# Altium PCB PWM_CONTROLLER_nverter_540VDC_V3.PcbDoc
Units mm, origin at the board's own origin, x right, y up, seen from the top; angles counter-clockwise.
Board outline 210 x 60 mm, 2 copper layers (Top Layer, Bottom Layer), stack 2.071 mm thick; 184 components, 94 nets, 451 pads, 54 vias.
Unrouted connection lines stored in the file: 1.
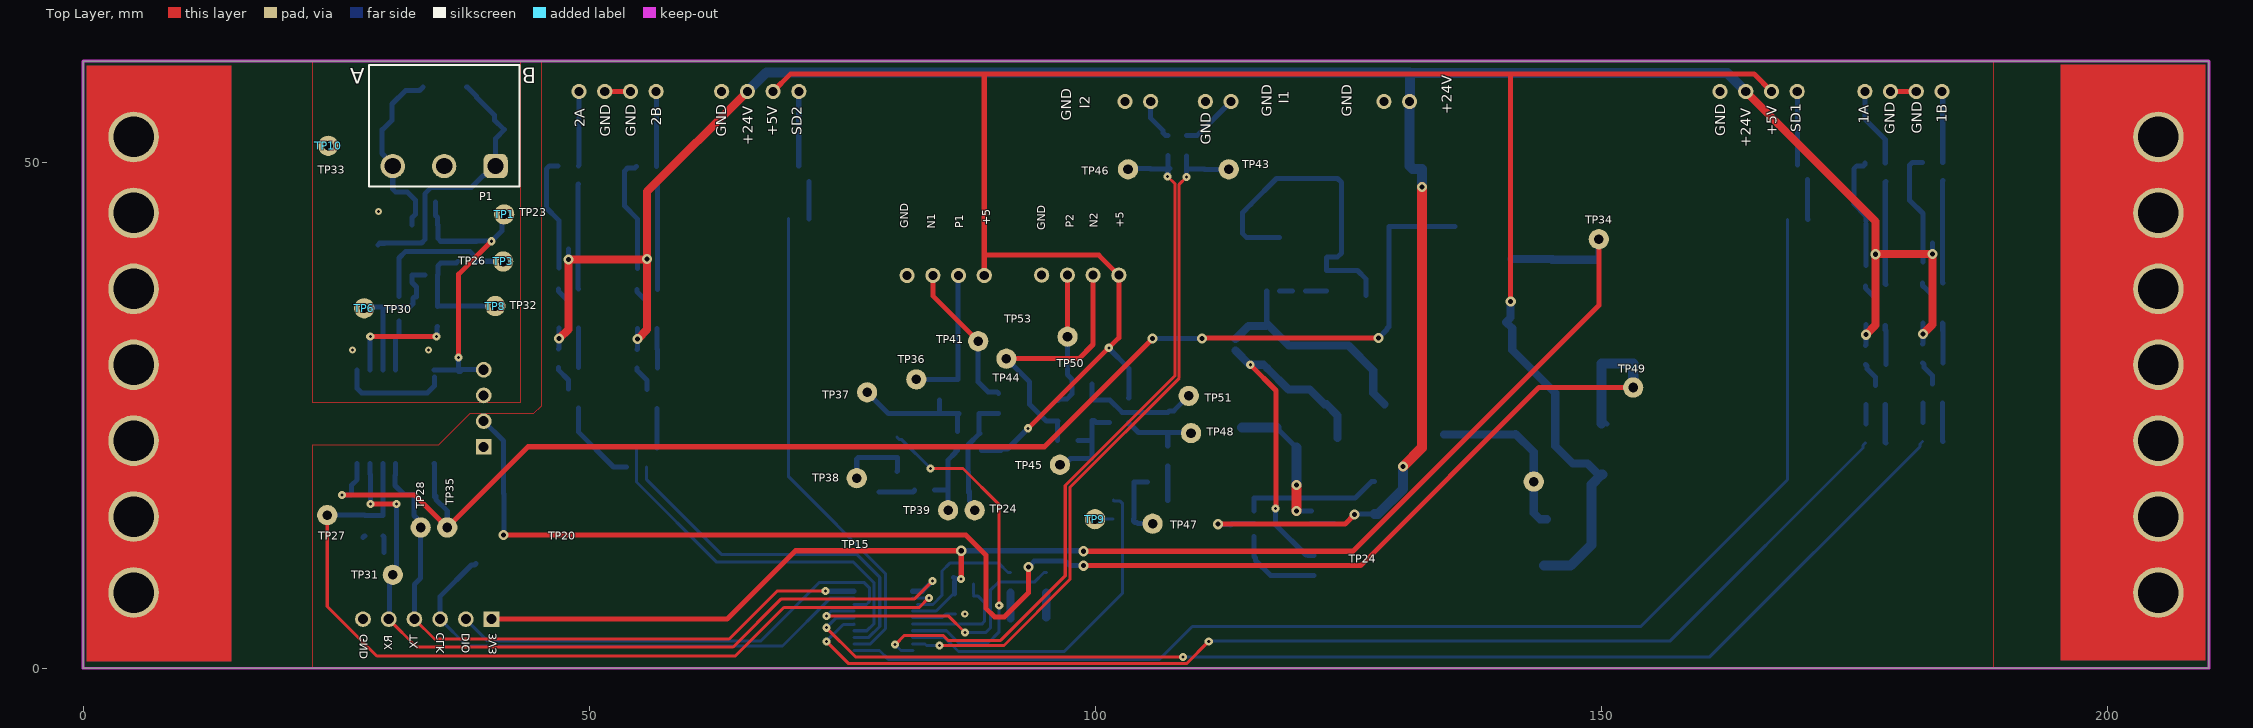
[diagram p0: Top Layer view]
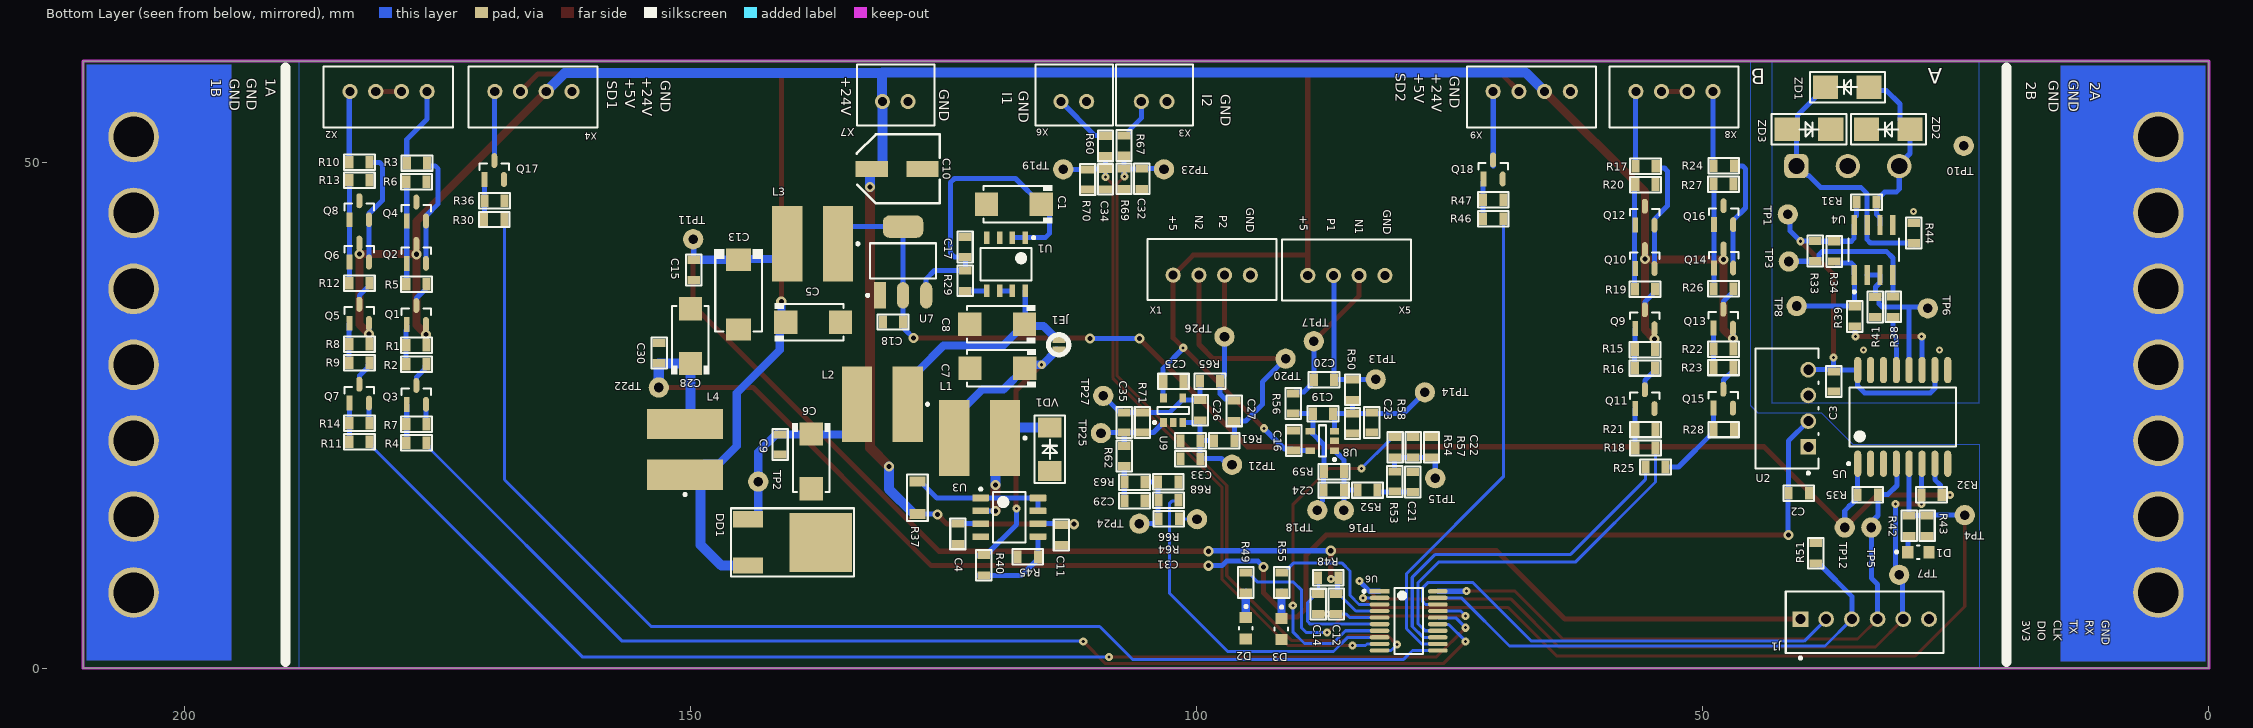
[diagram p1: Bottom Layer view, seen from below]
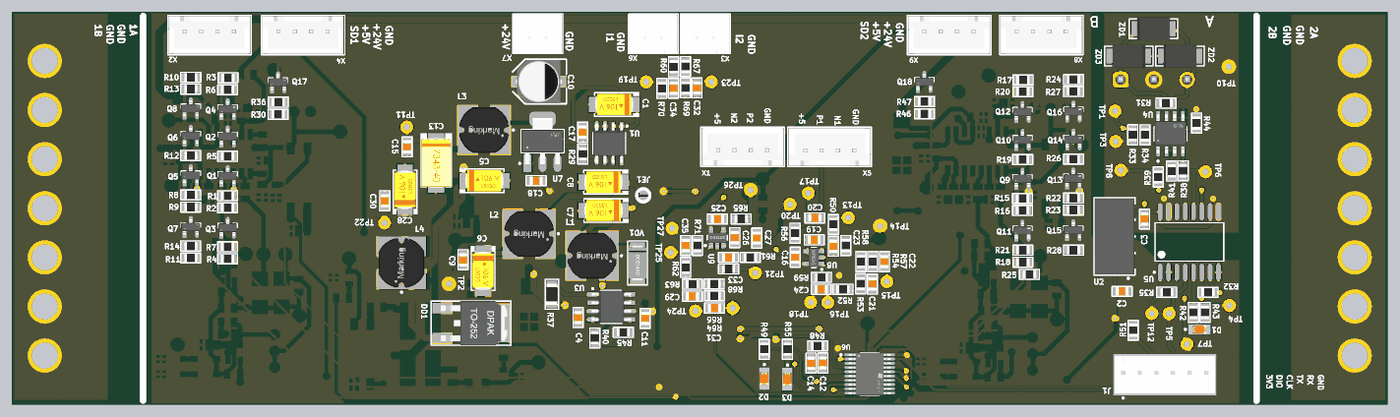
[diagram p2: 3D render of the assembled board from below, using the file's embedded part models]

## Layer stack, top to bottom
Top Solder: solder mask 0.0102, Solder Resist, Dk 3.5
Top Layer: signal copper 0.0356
Dielectric 1: dielectric 2, FR-4, Dk 4.8
Bottom Layer: signal copper 0.0356
Bottom Solder: solder mask 0.0102, Solder Resist, Dk 3.5

## Board outline
0,0 210,0 210,60.002 0,60.002

## Design rules (kind name [scope] priority, off if disabled: settings)
Clearance [All] p1: gap=0.2 ignorepadtopadclearanceinfootprint=TRUE except(0: Region-Hole Text-Hole; 0.1: Track-Track Track-SMDPad Track-THPad Track-Via Track-Fill Track-Poly Track-Region Track-Text Track-Hole SMDPad-SMDPad SMDPad-THPad SMDPad-Via SMDPad-Fill SMDPad-Poly SMDPad-Region SMDPad-Text SMDPad-Hole THPad-THPad THPad-Via THPad-Fill THPad-Poly THPad-Region THPad-Text THPad-Hole; 0.254: Region-Region Region-Text Text-Text)
ComponentClearance [All] p1: gap=-5 collisioncheckmode=3 verticalgap=0.254 showdistances=FALSE
DiffPairsRouting [All] p1: maxlimit=5 minlimit=0.254 mostfreqgap=0.254 toplayer_minwidth=0.381 toplayer_maxwidth=0.381 toplayer_prefwidth=0.381 bottomlayer_minwidth=0.381 bottomlayer_maxwidth=0.381 bottomlayer_prefwidth=0.381 maxuncoupledlength=12.7
Height [All] p1: minheight=0 maxheight=150 prefheight=50
HoleToHoleClearance [All] p1: gap=0 allowstackedmicrovias=TRUE
MinimumSolderMaskSliver [All] p1: minsoldermaskwidth=0
PlaneClearance [All] p1: clearance=0.7
PlaneConnect [All] p1: planeconnectstyle=Relief reliefexpansion=0.2 reliefentries=4 reliefconductorwidth=0.3 reliefairgap=0.1
PolygonConnect [All] p1: connectstyle=Relief reliefconductorwidth=0.254 reliefentries=4 polygonreliefangle="90 Angle" airgapwidth=0.5
RoutingVias [All] p1: holewidth=0.711 width=1.27 viastyle="Through Hole" minholewidth=0.3 minwidth=0.8 maxholewidth=0.711 maxwidth=1.27
SilkToSilkClearance [All] p1: silktosilkclearance=0
SilkToSolderMaskClearance [IsPad] p1: minsilkscreentomaskgap=0 clearancetoexposedcopper=TRUE
SolderMaskExpansion [All] p1: expansion=0.102 istentingtop=FALSE
Width [All] p1: maxlimit=7 minlimit=0.254 preferedwidth=2 minimp=50.000000 maximp=50.000000 favimp=50.000000
21 further rules are at their usual default settings.

## Components (designator, comment, footprint, x,y, rotation, side; value= is the part's Value field where it differs from the comment)
C1 "CAP-POLAR" CAP-TAN-C 118.05,45.85 r0 bottom
C2 "100nF" CAP-0805 40.525,17.3 r0 bottom
C3 "0.47uF" CAP-0805 37.075,28.35 r270 bottom
C4 "470pF" CAP-0805 123.575,13.3 r270 bottom
C5 "CAP-POLAR" CAP-TAN-C 137.875,34.2 r180 bottom
C6 "CAP-POLAR" CAP-TAN-C 138.075,20.45 r270 bottom
C7 "CAP-POLAR" CAP-TAN-C 119.675,29.65 r0 bottom
C8 "CAP-POLAR" CAP-TAN-C 119.7,34 r0 bottom
C9 "0.1uF" CAP-0805 141.15,22.125 r90 bottom
C10 "CAP-POLAR" CAPPOL_SMD_SIZE_D 129.575,49.35 r180 bottom
C11 "0.47uF" CAP-0805 113.35,13.175 r270 bottom
C12 "0.1uF" CAP-0805 86.2,6.375 r90 bottom
C13 "47uF_16V" CAP-TAN-D 145.25,36.925 r270 bottom
C14 "1uF" CAP-0805 88,6.35 r90 bottom
C15 "0.1uF" CAP-0805 149.675,39.375 r90 bottom
C16 "0.1uF" CAP-0805 90.425,22.525 r270 bottom
C17 "0.1uF" CAP-0805 122.875,41.625 r270 bottom
C18 "0.1uF" CAP-0805 129.975,34.225 r180 bottom
C19 "0.1uF" CAP-0805 87.525,25.175 r180 bottom
C20 "0.1uF" CAP-0805 87.425,28.525 r180 bottom
C21 "1000pF" CAP-0805 78.65,18.425 r270 bottom
C22 "1000pF" CAP-0805 76.8,21.85 r270 bottom
C23 "0.1uF" CAP-0805 84.6,24.2 r90 bottom
C24 "0.1uF" CAP-0805 86.45,17.625 r180 bottom
C25 "0.1uF" CAP-0805 102.3,28.35 r0 bottom
C26 "0.1uF" CAP-0805 99.65,25.5 r270 bottom
C27 "0.1uF" CAP-0805 96.3,25.45 r270 bottom
C28 "CAP-POLAR" CAP-TAN-C 150,32.825 r90 bottom
C29 "1000pF" CAP-0805 106.125,16.575 r0 bottom
C30 "0.1uF" CAP-0805 153.1,31.15 r270 bottom
C31 "1000pF" CAP-0805 102.75,14.775 r0 bottom
C32 "22pF" CAP-0805 105.425,48.375 r90 bottom
C33 "0.1uF" CAP-0805 100.6,22.5 r180 bottom
C34 "22pF" CAP-0805 109,48.325 r90 bottom
C35 "0.1uF" CAP-0805 107.15,24.3 r270 bottom
D1 "LED" LED_RED 28.7,11.475 r180 bottom
D2 "151031YS06000" LED_RED 95.15,3.975 r270 bottom
D3 "151031YS06000" LED_RED 91.625,3.9 r270 bottom
DD1 "78M05" DPAK 140.725,12.45 r270 bottom
J1 "SWR25X-NRTC-S06-ST-BA" Sullins_SWR25X-NRTC-S06-ST-BA_MFG 34.005,4.575 r180 bottom
JE1 "Jumper" JE 113.625,31.975 r180 bottom
L1 "1000µH, 0.3A" WE-PD2_7850 121.425,22.75 r0 bottom
L2 "1000µH, 0.3A" WE-PD2_7850 131.05,26.1 r0 bottom
L3 "1000µH, 0.3A" WE-PD2_7850 137.925,41.95 r0 bottom
L4 "1000µH, 0.3A" WE-PD2_7850 150.525,21.65 r90 bottom
P1 "691701530003B" 691701530003B 35.675,53.625 r180 top locked
Q1 "MMSS8550-H-TP" FP-SOT-23-IPC_B 177.076,34.915 r90 bottom
Q2 "SS8050-G" FP-SOT-23-IPC_B 177.076,40.955 r90 bottom
Q3 "SS8050-G" FP-SOT-23-IPC_B 177.076,27.025 r90 bottom
Q4 "MMSS8550-H-TP" FP-SOT-23-IPC_B 177.076,45.14 r90 bottom
Q5 "MMSS8550-H-TP" FP-SOT-23-IPC_B 182.708,35.035 r90 bottom
Q6 "SS8050-G" FP-SOT-23-IPC_B 182.708,41.075 r90 bottom
Q7 "SS8050-G" FP-SOT-23-IPC_B 182.708,27.145 r90 bottom
Q8 "MMSS8550-H-TP" FP-SOT-23-IPC_B 182.708,45.26 r90 bottom
Q9 "MMSS8550-H-TP" FP-SOT-23-IPC_B 55.725,34.5 r90 bottom
Q10 "SS8050-G" FP-SOT-23-IPC_B 55.725,40.448 r90 bottom
Q11 "SS8050-G" FP-SOT-23-IPC_B 55.725,26.6 r90 bottom
Q12 "MMSS8550-H-TP" FP-SOT-23-IPC_B 55.725,44.725 r90 bottom
Q13 "MMSS8550-H-TP" FP-SOT-23-IPC_B 47.975,34.55 r90 bottom
Q14 "SS8050-G" FP-SOT-23-IPC_B 47.95,40.498 r90 bottom
Q15 "SS8050-G" FP-SOT-23-IPC_B 47.975,26.65 r90 bottom
Q16 "MMSS8550-H-TP" FP-SOT-23-IPC_B 47.95,44.775 r90 bottom
Q17 "SS8050-G" FP-SOT-23-IPC_B 169.375,49.235 r90 bottom
Q18 "SS8050-G" FP-SOT-23-IPC_B 70.718,49.291 r90 bottom
R1 "100K" RES-0805 177.076,31.915 r180 bottom
R2 "10K" RES-0805 177.076,30.065 r0 bottom
R3 "100" RES-0805 177.025,49.924 r180 bottom
R4 "1K" RES-0805 177.076,22.29 r0 bottom
R5 "100" RES-0805 177.076,37.94 r180 bottom
R6 "2K" RES-0805 177.076,48.09 r0 bottom
R7 "10K" RES-0805 177.076,24.115 r0 bottom
R8 "100K" RES-0805 182.708,32.035 r180 bottom
R9 "10K" RES-0805 182.708,30.185 r0 bottom
R10 "100" RES-0805 182.7,50 r180 bottom
R11 "1K" RES-0805 182.708,22.41 r0 bottom
R12 "100" RES-0805 182.708,38.06 r180 bottom
R13 "2K" RES-0805 182.708,48.21 r0 bottom
R14 "10K" RES-0805 182.708,24.235 r0 bottom
R15 "100K" RES-0805 55.725,31.5 r180 bottom
R16 "10K" RES-0805 55.725,29.675 r0 bottom
R17 "100" RES-0805 55.65,49.6 r180 bottom
R18 "1K" RES-0805 55.675,21.775 r0 bottom
R19 "100" RES-0805 55.7,37.45 r180 bottom
R20 "2K" RES-0805 55.675,47.8 r0 bottom
R21 "10K" RES-0805 55.675,23.6 r0 bottom
R22 "100K" RES-0805 47.95,31.55 r180 bottom
R23 "10K" RES-0805 47.95,29.725 r0 bottom
R24 "100" RES-0805 47.925,49.65 r180 bottom
R25 "1K" RES-0805 54.675,19.9 r180 bottom
R26 "100" RES-0805 47.95,37.5 r180 bottom
R27 "2K" RES-0805 47.95,47.85 r0 bottom
R28 "10K" RES-0805 47.925,23.6 r0 bottom
R29 "300K" RES-0805 122.85,38.3 r270 bottom
R30 "1K" RES-0805 169.375,44.35 r0 bottom
R31 "10K" RES-0805 33.825,46.05 r0 bottom
R32 "10K" RES-0805 27.4,17.15 r180 bottom
R33 "10K" RES-0805 38.875,41.225 r90 bottom
R34 "10K" RES-0805 37.025,41.2 r90 bottom
R35 "10K" RES-0805 33.7,17.175 r0 bottom locked
R36 "10K" RES-0805 169.35,46.2 r0 bottom
R37 "0.33" RES-1206 127.575,16.85 r90 bottom
R38 "100" RES-0805 31.2,35.725 r270 bottom
R39 "100" RES-0805 35,34.775 r270 bottom
R40 "3.8K" RES-0805 121.025,10.2 r270 bottom
R41 "10K" RES-0805 32.95,35.7 r90 bottom
R42 "220" RES-0805 29.625,14.1 r90 bottom
R43 "10K" RES-0805 27.85,14.1 r90 bottom
R44 "10K" RES-0805 29.15,43 r270 bottom
R45 "1.2K" RES-0805 116.675,11.05 r180 bottom
R46 "1K" RES-0805 70.7,44.425 r0 bottom
R47 "10K" RES-0805 70.693,46.291 r0 bottom
R48 "10K" RES-0805 87,8.975 r0 bottom
R49 "220" RES-0805 95.15,8.475 r270 bottom
R50 "10K" RES-0805 84.6,27.525 r270 bottom
R51 "10K" RES-0805 38.825,11.375 r90 bottom
R52 "10K" RES-0805 83.125,17.625 r0 bottom
R53 "10K" RES-0805 80.425,18.475 r270 bottom
R54 "10K" RES-0805 80.4,21.85 r270 bottom
R55 "220" RES-0805 91.6,8.475 r270 bottom
R56 "10K" RES-0805 90.45,26.175 r270 bottom
R57 "100K*" RES-0805 78.6,21.85 r90 bottom
R58 "10K" RES-0805 82.7,24.3 r90 bottom
R59 "10K" RES-0805 86.425,19.45 r180 bottom
R60 "10K" RES-0805 109,51.625 r270 bottom
R61 "10K" RES-0805 97.275,22.5 r0 bottom
R62 "10K" RES-0805 107.15,20.975 r90 bottom
R63 "10K" RES-0805 106.125,18.4 r0 bottom
R64 "10K" RES-0805 102.775,16.625 r0 bottom
R65 "10K" RES-0805 98.675,28.375 r0 bottom
R66 "100K*" RES-0805 102.8,18.425 r180 bottom
R67 "10K" RES-0805 107.175,51.65 r270 bottom
R68 "10K" RES-0805 100.6,20.725 r180 bottom
R69 "22K" RES-0805 107.175,48.375 r90 bottom
R70 "22K" RES-0805 110.775,48.3 r90 bottom
R71 "10K" RES-0805 105.35,24.3 r270 bottom
TP1 "Test_Point_PCB" Test_Point#1 41.6,44.85 r0 top
TP2 "Test_Point_PCB" Test_Point#1 143.3,18.459 r90 bottom
TP3 "Test_Point_PCB" Test_Point#1 41.5,40.2 r0 top
TP4 "Test_Point_PCB" Test_Point#1 24.125,15.15 r0 bottom
TP5 "Test_Point_PCB" Test_Point#1 33.35,13.925 r0 bottom
TP6 "Test_Point_PCB" Test_Point#1 27.775,35.575 r0 top
TP7 "Test_Point_PCB" Test_Point#1 30.6,9.25 r90 bottom
TP8 "" Test_Point#1 40.725,35.8 r0 top
TP9 "Test_Point_PCB" Test_Point#1 99.96,14.75 r180 top
TP10 "Test_Point_PCB" Test_Point#1 24.225,51.625 r0 top
TP11 "" Test_Point#1 149.731,42.4 r90 bottom
TP12 "Test_Point_PCB" Test_Point#1 35.975,13.925 r0 bottom
TP13 "Test_Point_PCB" Test_Point#2 82.31,28.6 r270 bottom
TP14 "Test_Point_PCB" Test_Point#1 77.45,27.275 r270 bottom
TP15 "Test_Point_PCB" Test_Point#1 76.425,18.8 r270 bottom
TP16 "Test_Point_PCB" Test_Point#1 85.45,15.625 r270 bottom
TP17 "Test_Point_PCB" Test_Point#1 88.425,32.325 r270 bottom
TP18 "Test_Point_PCB" Test_Point#1 88.075,15.625 r270 bottom
TP19 "Test_Point_PCB" Test_Point#1 113.175,49.3 r270 bottom
TP20 "Test_Point_PCB" Test_Point#2 91.21,30.65 r270 bottom
TP21 "Test_Point_PCB" Test_Point#1 96.5,20.125 r0 bottom
TP22 "Test_Point_PCB" Test_Point#1 153.125,27.75 r90 bottom
TP23 "Test_Point_PCB" Test_Point#1 103.225,49.3 r90 bottom
TP24 "Test_Point_PCB" Test_Point#1 105.65,14.3 r0 bottom
TP25 "Test_Point_PCB" Test_Point#1 109.45,23.25 r0 bottom
TP26 "Test_Point_PCB" Test_Point#3 97.25,32.9 r270 bottom
TP27 "Test_Point_PCB" Test_Point#1 109.225,26.925 r0 bottom
U1 "LP2951-5.0" SOIC-8_L 118.83,39.925 r270 bottom
U2 "B0505S-1W" B0505S-1W 41.675,25.7 r90 bottom
U3 "MC34063" SOIC-8_M 118.5,14.935 r180 bottom
U4 "MAX485" SOIC-8-MFG 33.125,41.35 r90 bottom locked
U5 "ADUM1401BRWZ" ADI-RW-16_M 30.25,24.85 r90 bottom
U6 "STM32G030F6P6" FP-TSSOP20-YA-IPC_A 79.05,4.7 r180 bottom locked
U7 "AMS1117-3.3" SOT-223 129,40.25 r180 bottom
U8 "" SOT-23-5 87.575,22.475 r0 bottom
U9 "" SOT-23-5 102.325,25.5 r90 bottom
VD1 "DIODE" "DO-214AC, SMA" 114.5,21.65 r270 bottom
X1 "CONN-4-PIN" CONN-PLS-4-2.54mm_1 94.695,38.85 r0 bottom
X2 "CONN-4-PIN" CONN-PLS-4-2.54mm_1 183.625,57 r180 bottom locked
X3 "CONN-2-PIN" XH2- 105.465,56 r180 bottom
X4 "CONN-4-PIN" CONN-PLS-4-2.54mm_1 169.325,57 r180 bottom locked
X5 "CONN-4-PIN" CONN-PLS-4-2.54mm_1 81.405,38.825 r0 bottom
X6 "CONN-2-PIN" XH2- 113.4,56 r180 bottom locked
X7 "CONN-2-PIN" XH2- 131.04,56 r180 bottom locked
X8 "CONN-4-PIN" CONN-PLS-4-2.54mm_1 56.615,57 r180 bottom locked
X9 "CONN-4-PIN" CONN-PLS-4-2.54mm_1 70.705,57 r180 bottom locked
ZD1 "P6SMB16CA" DO-214AA 35.725,57.425 r180 bottom
ZD2 "P6SMB16CA" DO-214AA 31.675,53.25 r180 bottom
ZD3 "P6SMB16CA" DO-214AA 39.5,53.25 r0 bottom

## Footprints (in the part's own frame and the unit in brackets; to place one, negate y for a bottom-side part, rotate by r counter-clockwise, add the part's x,y. Pads: shape width x height; smd on the part's side, far side on the other; paste and mask are expansions set on the pad)
691701530003B [mm] "THR - 5,08mm - PCB Horizontal Open - 03p"
  rrect50% 2.4x2.4 hole 1.6: 1(-5.08,4)
  round 2.4 hole 1.6: 2(0,4) 3(5.08,4)
  silkscreen extent -7.42,-6 7.42,6, body extent -7.42,-6 7.42,6, height 8.6
ADI-RW-16_M [mm] "SOIC, 16-Leads, Body 10.3x7.5mm, Pitch 1.27mm, IPC Low Density"
  oval 2.6x0.7 smd: 1(-4.625,4.445) 2(-4.625,3.175) 3(-4.625,1.905) 4(-4.625,0.635) 5(-4.625,-0.635) 6(-4.625,-1.905) 7(-4.625,-3.175) 8(-4.625,-4.445) 9(4.625,-4.445) 10(4.625,-3.175) 11(4.625,-1.905) 12(4.625,-0.635) 13(4.625,0.635) 14(4.625,1.905) 15(4.625,3.175) 16(4.625,4.445)
  silkscreen extent -4.75,-5.25 2.93,5.47, body extent -3.8,-5.25 3.8,5.25, height 2.65
B0505S-1W [mm]
  rect 1.55x1.55 hole 1 paste-2539.97 mask+0: 1(-3.81,-2.1)
  round 1.55 hole 1 paste-2539.97 mask+0: 2(-1.27,-2.1) 3(1.27,-2.1) 4(3.81,-2.1)
  silkscreen extent -6.52,-3.13 5.92,3.13, body extent -5.8,-3 5.8,3, height 10.41
CAP-0805 [mm]
  rect 0.8x1.25 smd mask+0.015: 1(-1,0) 2(1,0)
  silkscreen extent -1.52,-0.76 1.52,0.76, body extent -1,-0.62 1,0.63, height 0.8
CAP-TAN-C [mm]
  rect 2.3x2.3 smd: 1(-2.7,0) 2(2.7,0)
  silkscreen extent -3.8,-1.9 3,1.9, body extent -2.9,-1.6 2.9,1.6, height 2.6
CAP-TAN-D [mm]
  rect 2.2x2.5 smd: 1(-3.45,0) 2(3.45,0)
  silkscreen extent -4.5,-2.4 3.65,2.4, body extent -3.8,-2.3 3.8,2.3, height 4
CAPPOL_SMD_SIZE_D [mm]
  rect 3.2x1.6 smd: 1(-2.5,0) 2(2.5,0)
  silkscreen extent -4,-3.4 4.2,3.4, body extent -3.5,-3.3 3.5,3.3, height 5.41
CONN-PLS-4-2.54mm_1 [mm]
  round 1.5 hole 0.9: 1(0,0) 2(2.54,0) 3(5.08,0) 4(7.62,0)
  silkscreen extent -2.6,-3.55 10.15,2.47, body extent -2.45,-3.4 9.95,2.35, height 7
DO-214AA [mm]
  rect 2.5x2.3 smd: 1(-2.15,0) 2(2.15,0)
  silkscreen extent -3.7,-1.5 3.7,1.5, body extent -2.65,-1.81 2.65,1.81, height 2.5
"DO-214AC, SMA" [mm]
  rect 2x2.3 smd: 1(-2.15,0) 2(2.15,0)
  silkscreen extent -3.35,-1.5 3.35,1.5, body extent -2.74,-1.4 2.74,1.4, height 2.24
DPAK [mm]
  rect 1.6x3 smd: 1(-2.285,-3.59) 3(2.285,-3.59)
  rect 5.8x6.2 smd: 2(0,3.59)
  silkscreen extent -3.37,-5.28 3.37,6.89, body extent -3.37,-3.81 3.37,6.29, height 2.37
FP-SOT-23-IPC_B [mm]
  rect 1.474x0.585 smd paste+0 mask+0: 1(-0.935,0.95)
  rrect100% 1.474x0.585 smd paste+0 mask+0: 2(-0.935,-0.95) 3(0.935,0)
  silkscreen extent 0,-1.46 0.65,1.46, body extent -1.2,-1.46 1.2,1.46, height 1.25
FP-TSSOP20-YA-IPC_A [mm]
  rect 1.955x0.421 smd paste+0 mask+0: 1(-2.875,2.925)
  rrect100% 1.955x0.421 smd paste+0 mask+0: 2(-2.875,2.275) 3(-2.875,1.625) 4(-2.875,0.975) 5(-2.875,0.325) 6(-2.875,-0.325) 7(-2.875,-0.975) 8(-2.875,-1.625) 9(-2.875,-2.275) 10(-2.875,-2.925) 11(2.875,-2.925) 12(2.875,-2.275) 13(2.875,-1.625) 14(2.875,-0.975) 15(2.875,-0.325) 16(2.875,0.325) 17(2.875,0.975) 18(2.875,1.625) 19(2.875,2.275) 20(2.875,2.925)
  silkscreen extent -4.53,-3.25 1.4,3.25, body extent -3.21,-3.25 3.21,3.25, height 1.2
JE [mil]
  rect 50x27.56 smd: 1(1,20) 2(1,-21)
  silkscreen extent -39,-39 39,39
LED_RED [mm]
  rect 1.1x1.2 smd paste+0 mask+0: 1(-1.05,0) 2(1.05,0)
  silkscreen extent -2.28,-0.67 0.13,0.67, body extent -1,-0.63 1,0.63, height 0.8
RES-0805 [mm]
  rect 0.8x1.25 smd mask+0.015: 1(-1,0) 2(1,0)
  silkscreen extent -1.52,-0.76 1.52,0.76, body extent -1,-0.62 1,0.63, height 0.6
RES-1206 [mm]
  rect 1x1.6 smd: 1(-1.6,0) 2(1.6,0)
  silkscreen extent -2.29,-1.02 2.29,1.02, body extent -1.6,-0.8 1.6,0.8, height 0.6
SOIC-8-MFG [mm]
  rect 1.98x0.53 smd paste+0 mask+0: 1(-2.465,1.905) 2(-2.465,0.635) 3(-2.465,-0.635) 4(-2.465,-1.905) 5(2.465,-1.905) 6(2.465,-0.635) 7(2.465,0.635) 8(2.465,1.905)
  silkscreen extent -4.27,-2.5 1.1,2.5, body extent -3,-2.45 3,2.45, height 1.75
SOIC-8_L [mm]
  rrect18% 1.25x0.55 smd: 1(-2.625,1.905) 2(-2.625,0.635) 3(-2.625,-0.635) 4(-2.625,-1.905) 5(2.625,-1.905) 6(2.625,-0.635) 7(2.625,0.635) 8(2.625,1.905)
  silkscreen extent -2.75,-2.5 1.6,2.85, body extent -3,-2.45 3,2.45, height 1.63
SOIC-8_M [mm]
  rrect15% 1.65x0.65 smd: 1(-2.825,1.905) 2(-2.825,0.635) 3(-2.825,-0.635) 4(-2.825,-1.905) 5(2.825,-1.905) 6(2.825,-0.635) 7(2.825,0.635) 8(2.825,1.905)
  silkscreen extent -2.95,-2.5 1.6,2.9, body extent -3,-2.45 3,2.45, height 1.63
SOT-23-5 [mm]
  rect 0.9x0.65 smd: 1(-1.2,0.95) 2(-1.2,0) 3(-1.2,-0.95) 4(1.2,-0.95) 5(1.2,0.95)
  silkscreen extent -1.32,-1.55 0.35,1.95, body extent -1.4,-1.45 1.4,1.45, height 1.24
SOT-223 [mm]
  rect 1.2x2.6 smd paste+0 mask+0: 1(-2.29,-3.395)
  rrect100% 1.2x2.6 smd paste+0 mask+0: 2(0,-3.395) 3(2.29,-3.395)
  rrect59% 4x2.2 smd paste+0 mask+0: 2(0,3.395)
  silkscreen extent -3.63,-3.52 3.25,1.75, body extent -3.25,-3.53 3.25,3.53, height 1.8
Sullins_SWR25X-NRTC-S06-ST-BA_MFG [mm]
  rect 1.55x1.55 hole 1 paste-2539.97 mask+0: 1(-6.35,0.3)
  round 1.55 hole 1 paste-2539.97 mask+0: 2(-3.81,0.3) 3(-1.27,0.3) 4(1.27,0.3) 5(3.81,0.3) 6(6.35,0.3)
  silkscreen extent -7.8,-3.67 7.8,3.05, body extent -7.65,-2.9 7.65,2.9, height 11.7
Test_Point#1 [mm]
  round 2 hole 0.95: 1(0,0)
Test_Point#2 [mm]
  round 2 hole 0.95: 1(0.05,0)
Test_Point#3 [mm]
  round 2 hole 0.95: 1(0.125,0)
WE-PD2_7850 [mm] "SMD Power Inductor, 2-Leads, body 7.8x7mm"
  rect 3x7.5 smd: 1(-2.5,0) 2(2.5,0)
  silkscreen extent -4.59,-0.12 -4.34,0.12, body extent -3.81,-3.5 3.81,3.5, height 4.95
XH2- [mm]
  round 1.5 hole 0.9: 1(0,0) 2(2.54,0)
  silkscreen extent -2.5,-2.35 5.13,3.65, body extent -2.4,-2.25 5,3.55, height 7
